# Allegro board SDHCalFEB20180110.brd (continued)
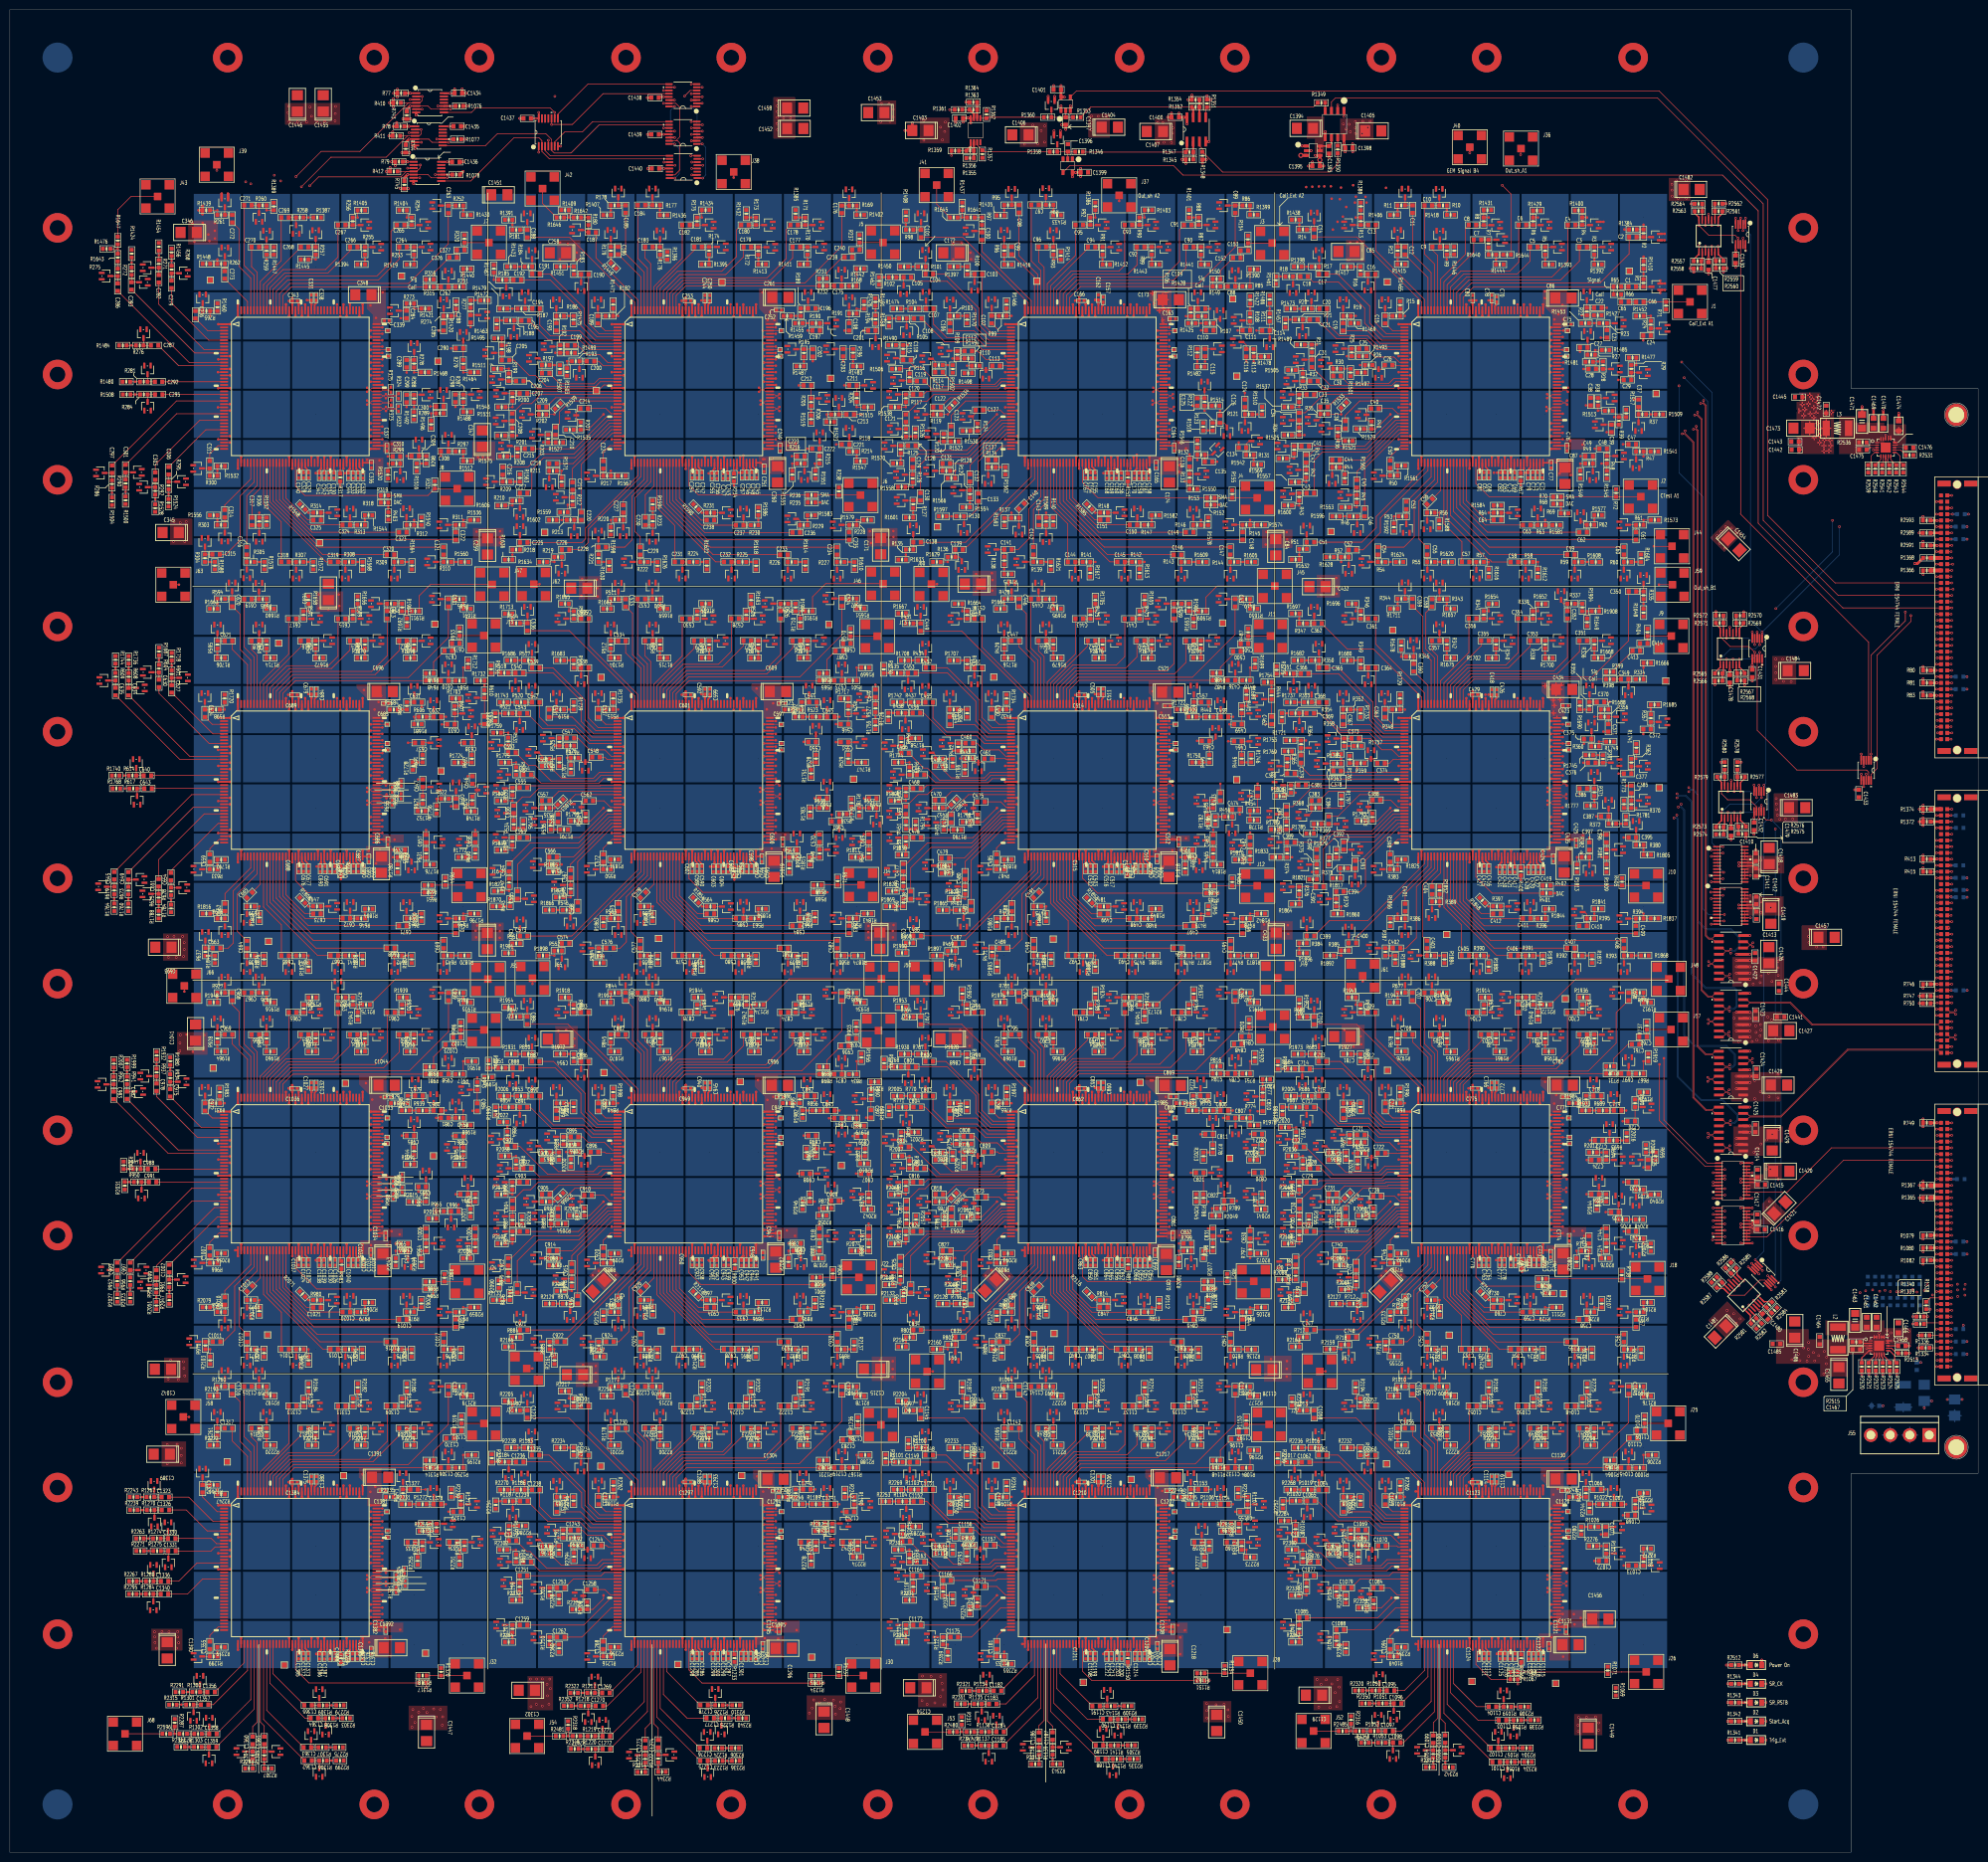
[diagram p0: board, top side]
## Routing (per net, layer and track width the routed paths; a pad name or vN(x,y) marks a point on that pad's centre or on a via; arc(x,y) is an arc through that point) (continued)
GEM_OUT_E32: length 4
  TOP w0.127: R365.1 259.76,222.2 v1(260.73,222.2) 260.73,222.64 260.71,222.66 R1769.2
  GND1 w0.127: v2(261.46,222.2) v1(260.73,222.2)
  GND3 w0.127: v3(262.2,222.2) v2(261.46,222.2)
GEM_OUT_E33: length 6.2
  TOP w0.127: R1801.2 259.81,214.63 R366.1 v1(261.44,215.3)
  GND1 w0.127: v2(261.96,214.78) v1(261.44,215.3)
  SIG3 w0.127: v2(262.2,212.94) 262.2,214.54 v2(261.96,214.78)
  GND3 w0.127: v3(262.2,212.2) v2(262.2,212.94)
GEM_OUT_E34: length 36
  TOP w0.127: v1(260.58,207.86) R367.1 258.99,207.86 258.99,207.85 R1789.2
  GND1 w0.127: v2(261.1,208.38) v1(260.58,207.86)
  SIG3 w0.127: v2(261.1,208.38) 261.1,208.45 263.88,211.23 290.49,211.23 v2(291.46,212.2)
  GND3 w0.127: v3(292.2,212.2) v2(291.46,212.2)
GEM_OUT_E35: length 7
  TOP w0.127: R1797.2 270.74,212.21 v1(270.73,212.2) 268.67,212.2 268.66,212.19 R368.1
  GND1 w0.127: v2(271.46,212.2) v1(270.73,212.2)
  GND3 w0.127: v3(272.2,212.2) v2(271.46,212.2)
GEM_OUT_E36: length 40.7
  TOP w0.127: R369.1 v1(265.16,207.98) 265.16,207.97 R1785.2
  GND1 w0.127: v1(265.16,207.98) v2(265.9,207.98)
  SIG3 w0.127: v2(301.46,212.2) 299.45,210.19 268.11,210.19 v2(265.9,207.98)
  GND3 w0.127: v3(302.2,212.2) v2(301.46,212.2)
GEM_OUT_E37: length 4
  TOP w0.127: R1773.2 328.23,212.2 R370.1 v1(330.73,212.2)
  GND1 w0.127: v2(331.46,212.2) v1(330.73,212.2)
  GND3 w0.127: v3(332.2,212.2) v2(331.46,212.2)
GEM_OUT_E38: length 3.4
  TOP w0.127: R1777.2 322.21,213.66 v1(322.2,213.67) R371.1
  GND1 w0.127: v2(322.2,212.94) v1(322.2,213.67)
  GND3 w0.127: v3(322.2,212.2) v2(322.2,212.94)
GEM_OUT_E39: length 20.2
  TOP w0.127: R1781.2 328.62,208.99 v1(327.63,208.99) R372.1
  GND1 w0.127: v2(326.9,208.99) v1(327.63,208.99)
  SIG3 w0.127: v2(326.9,208.99) 319.43,208.99 318.06,210.36 314.63,210.36 312.79,212.2 v2(311.46,212.2)
  GND3 w0.127: v3(312.2,212.2) v2(311.46,212.2)
GEM_OUT_E40: length 7.7
  TOP w0.127: R1793.2 276.17,209.58 276.18,209.58 R373.1 278.11,209.58 v1(280.73,212.2)
  GND1 w0.127: v2(281.46,212.2) v1(280.73,212.2)
  GND3 w0.127: v3(282.2,212.2) v2(281.46,212.2)
GEM_OUT_E41: length 4
  TOP w0.127: R1833.2 258.23,202.19 R374.1 260.72,202.19 v1(260.73,202.2)
  GND1 w0.127: v2(261.46,202.2) v1(260.73,202.2)
  GND3 w0.127: v3(262.2,202.2) v2(261.46,202.2)
GEM_OUT_E42: length 31.2
  TOP w0.127: R1821.2 265.75,197.7 R375.1 v1(264.77,199.19)
  GND1 w0.127: v2(265.51,199.19) v1(264.77,199.19)
  SIG3 w0.127: v2(265.51,199.19) 269.47,199.19 272.48,202.2 v2(291.46,202.2)
  GND3 w0.127: v3(292.2,202.2) v2(291.46,202.2)
GEM_OUT_E43: length 3.5
  TOP w0.127: R1864.2 262.2,193.67 v1(262.2,193.67) 262.2,193.68 R376.1
  GND1 w0.127: v2(262.2,192.94) v1(262.2,193.67)
  GND3 w0.127: v3(262.2,192.2) v2(262.2,192.94)
GEM_OUT_E44: length 4
  TOP w0.127: v1(270.73,202.2) 269.75,202.2 R377.1 R1829.2
  GND1 w0.127: v2(271.46,202.2) v1(270.73,202.2)
  GND3 w0.127: v3(272.2,202.2) v2(271.46,202.2)
GEM_OUT_E45: length 35
  TOP w0.127: R378.1 v1(270.54,198.96) 270.56,198.93 R1817.2
  GND1 w0.127: v1(270.54,198.96) v2(271.27,198.96)
  SIG3 w0.127: v2(301.46,202.2) 298.22,198.96 v2(271.27,198.96)
  GND3 w0.127: v3(302.2,202.2) v2(301.46,202.2)
GEM_OUT_E46: length 4
  TOP w0.127: R1860.2 270.74,192.19 v1(270.73,192.2) 270.73,192.2 R379.1
  GND1 w0.127: v2(271.46,192.2) v1(270.73,192.2)
  GND3 w0.127: v3(272.2,192.2) v2(271.46,192.2)
GEM_OUT_E47: length 3.5
  TOP w0.127: R380.1 332.2,204.68 v1(332.2,203.67) 332.2,202.7 R1805.2
  GND1 w0.127: v2(332.2,202.94) v1(332.2,203.67)
  GND3 w0.127: v3(332.2,202.2) v2(332.2,202.94)
GEM_OUT_E48: length 4
  TOP w0.127: R1809.2 324.69,202.2 R381.1 324.67,202.2 v1(323.67,202.2)
  GND1 w0.127: v2(322.94,202.2) v1(323.67,202.2)
  GND3 w0.127: v3(322.2,202.2) v2(322.94,202.2)
GEM_OUT_E49: length 9
  TOP w0.127: R382.1 319.64,202.2 v1(318.67,202.2) R1813.2
  GND1 w0.127: v2(317.93,202.2) v1(318.67,202.2)
  SIG3 w0.127: v2(312.84,202.2) v2(317.93,202.2)
  GND3 w0.127: v3(312.2,202.2) v2(312.84,202.2)
GEM_OUT_E50: length 3.5
  TOP w0.127: R383.1 282.2,199.74 v1(282.2,200.73) 282.2,201.73 R1825.2
  GND1 w0.127: v2(282.2,201.46) v1(282.2,200.73)
  GND3 w0.127: v3(282.2,202.2) v2(282.2,201.46)
GEM_OUT_E51: length 3.5
  TOP w0.127: R384.1 262.2,184.71 v1(262.2,183.67) 262.2,182.71 R1896.2
  GND1 w0.127: v2(262.2,182.94) v1(262.2,183.67)
  GND3 w0.127: v3(262.2,182.2) v2(262.2,182.94)
GEM_OUT_E52: length 4
  TOP w0.127: R1892.2 269.23,182.2 v1(270.73,182.2) 270.71,182.21 R385.1
  GND1 w0.127: v2(271.46,182.2) v1(270.73,182.2)
  GND3 w0.127: v3(272.2,182.2) v2(271.46,182.2)
GEM_OUT_E53: length 4
  TOP w0.127: R1856.2 280.7,189.72 R386.1 282.2,189.73 v1(282.2,190.73)
  GND1 w0.127: v2(282.2,191.46) v1(282.2,190.73)
  GND3 w0.127: v3(282.2,192.2) v2(282.2,191.46)
GEM_OUT_E54: length 3.5
  TOP w0.127: R387.1 279.73,182.2 v1(280.73,182.2) 281.73,182.2 R1888.2
  GND1 w0.127: v2(281.46,182.2) v1(280.73,182.2)
  GND3 w0.127: v3(282.2,182.2) v2(281.46,182.2)
GEM_OUT_E55: length 3.5
  TOP w0.127: R388.1 289.72,182.2 v1(290.73,182.2) 291.71,182.2 R1884.2
  GND1 w0.127: v2(291.46,182.2) v1(290.73,182.2)
  GND3 w0.127: v3(292.2,182.2) v2(291.46,182.2)
GEM_OUT_E56: length 4
  TOP w0.127: v1(290.73,192.2) 290.73,193.18 R389.1 R1852.2
  GND1 w0.127: v2(291.46,192.2) v1(290.73,192.2)
  GND3 w0.127: v3(292.2,192.2) v2(291.46,192.2)
GEM_OUT_E57: length 3.9
  TOP w0.127: R1880.2 300.73,180.74 v1(300.73,182.2) 299.76,182.2 R390.1
  GND1 w0.127: v2(301.46,182.2) v1(300.73,182.2)
  GND3 w0.127: v3(302.2,182.2) v2(301.46,182.2)
GEM_OUT_E58: length 3.5
  TOP w0.127: R391.1 309.74,182.2 v1(310.73,182.2) 311.71,182.2 R1876.2
  GND1 w0.127: v2(311.46,182.2) v1(310.73,182.2)
  GND3 w0.127: v3(312.2,182.2) v2(311.46,182.2)
GEM_OUT_E59: length 3.5
  TOP w0.127: R392.1 319.75,182.2 v1(320.73,182.2) 321.72,182.2 R1872.2
  GND1 w0.127: v2(321.46,182.2) v1(320.73,182.2)
  GND3 w0.127: v3(322.2,182.2) v2(321.46,182.2)
GEM_OUT_E60: length 3.5
  TOP w0.127: R393.1 329.75,182.2 v1(330.73,182.2) 331.7,182.2 R1868.2
  GND1 w0.127: v2(331.46,182.2) v1(330.73,182.2)
  GND3 w0.127: v3(332.2,182.2) v2(331.46,182.2)
GEM_OUT_E61: length 4
  TOP w0.127: R1837.2 332.19,189.74 ; 332.19,189.74 R394.1 ; 332.19,189.74 332.2,189.75 v1(332.2,190.73)
  GND1 w0.127: v2(332.2,191.46) v1(332.2,190.73)
  GND3 w0.127: v3(332.2,192.2) v2(332.2,191.46)
GEM_OUT_E62: length 3.5
  TOP w0.127: R395.1 v1(322.2,190.73) 322.2,191.72 R1841.2
  GND1 w0.127: v2(322.2,191.46) v1(322.2,190.73)
  GND3 w0.127: v3(322.2,192.2) v2(322.2,191.46)
GEM_OUT_E63: length 3.5
  TOP w0.127: R1844.2 312.2,191.68 v1(312.2,190.73) 312.2,189.75 R396.1
  GND1 w0.127: v2(312.2,191.46) v1(312.2,190.73)
  GND3 w0.127: v3(312.2,192.2) v2(312.2,191.46)
GEM_OUT_E64: length 3.5
  TOP w0.127: R397.1 300.67,192.21 v1(300.66,192.2) 299.96,192.9 R1848.2
  GND1 w0.127: v2(301.4,192.2) v1(300.66,192.2)
  GND3 w0.127: v3(302.2,192.2) v2(301.4,192.2)
GEM_OUT_F1: length 5
  TOP w0.127: R1699.2 253.19,240.73 v1(252.2,240.73) 252.2,238.16 R418.1
  GND1 w0.127: v2(252.2,241.46) v1(252.2,240.73)
  GND3 w0.127: v3(252.2,242.2) v2(252.2,241.46)
GEM_OUT_F2: length 3.4
  TOP w0.127: R419.1 252.19,253.69 v1(252.2,253.67) 252.19,253.66 R1650.2
  GND1 w0.127: v2(252.2,252.94) v1(252.2,253.67)
  GND3 w0.127: v3(252.2,252.2) v2(252.2,252.94)
GEM_OUT_F3: length 3.4
  TOP w0.127: R420.1 242.19,243.68 v1(242.2,243.67) 242.2,243.67 R1701.2
  GND1 w0.127: v2(242.2,242.94) v1(242.2,243.67)
  GND3 w0.127: v3(242.2,242.2) v2(242.2,242.94)
GEM_OUT_F4: length 1.5
  TOP w0.127: R1905.1 R421.1
GEM_OUT_F5: length 3.5
  TOP w0.127: R1673.2 232.19,243.66 v1(232.2,243.67) 232.21,243.68 R422.1
  GND1 w0.127: v2(232.2,242.94) v1(232.2,243.67)
  GND3 w0.127: v3(232.2,242.2) v2(232.2,242.94)
GEM_OUT_F6: length 4
  TOP w0.127: R1655.2 230.73,253.67 v1(230.73,252.2) 230.71,252.19 R423.1
  GND1 w0.127: v2(231.46,252.2) v1(230.73,252.2)
  GND3 w0.127: v3(232.2,252.2) v2(231.46,252.2)
GEM_OUT_F7: length 3.4
  TOP w0.127: R424.1 v1(222.2,243.67) 222.21,243.66 R1676.2
  GND1 w0.127: v2(222.2,242.94) v1(222.2,243.67)
  GND3 w0.127: v3(222.2,242.2) v2(222.2,242.94)
GEM_OUT_F8: length 4
  TOP w0.127: R1705.2 220.73,252.65 220.73,252.64 v1(220.73,252.2) 220.71,252.19 R425.1
  GND1 w0.127: v2(221.46,252.2) v1(220.73,252.2)
  GND3 w0.127: v3(222.2,252.2) v2(221.46,252.2)
GEM_OUT_F9: length 3.5
  TOP w0.127: R1679.2 212.21,243.67 v1(212.2,243.67) 212.19,243.68 R426.1
  GND1 w0.127: v2(212.2,242.94) v1(212.2,243.67)
  GND3 w0.127: v3(212.2,242.2) v2(212.2,242.94)
GEM_OUT_F10: length 3.4
  TOP w0.127: R427.1 212.18,253.69 v1(212.2,253.67) 212.2,252.71 R1695.2
  GND1 w0.127: v2(212.2,252.94) v1(212.2,253.67)
  GND3 w0.127: v3(212.2,252.2) v2(212.2,252.94)
GEM_OUT_F11: length 3.5
  TOP w0.127: R1661.2 202.2,252.69 v1(202.2,253.67) 202.19,253.68 R428.1
  GND1 w0.127: v2(202.2,252.94) v1(202.2,253.67)
  GND3 w0.127: v3(202.2,252.2) v2(202.2,252.94)
GEM_OUT_F12: length 3.5
  TOP w0.127: R429.1 202.21,243.68 v1(202.2,243.67) R1716.2
  GND1 w0.127: v2(202.2,242.94) v1(202.2,243.67)
  GND3 w0.127: v3(202.2,242.2) v2(202.2,242.94)
GEM_OUT_F13: length 4
  TOP w0.127: R430.1 194.65,252.2 v1(193.67,252.2) 193.67,252.64 193.66,252.66 R1664.2
  GND1 w0.127: v2(192.94,252.2) v1(193.67,252.2)
  GND3 w0.127: v3(192.2,252.2) v2(192.94,252.2)
GEM_OUT_F14: length 3.5
  TOP w0.127: R431.1 182.2,249.71 v1(182.2,250.73) 182.2,250.73 R1667.2
  GND1 w0.127: v2(182.2,251.46) v1(182.2,250.73)
  GND3 w0.127: v3(182.2,252.2) v2(182.2,251.46)
GEM_OUT_F15: length 4
  TOP w0.127: R1734.2 202.67,232.82 202.68,232.8 R432.1 203.67,232.21 v1(203.67,232.2)
  GND1 w0.127: v2(202.94,232.2) v1(203.67,232.2)
  GND3 w0.127: v3(202.2,232.2) v2(202.94,232.2)
GEM_OUT_F16: length 3.5
  TOP w0.127: R433.1 193.68,242.21 v1(193.67,242.2) 192.7,242.2 R1707.2
  GND1 w0.127: v2(192.94,242.2) v1(193.67,242.2)
  GND3 w0.127: v3(192.2,242.2) v2(192.94,242.2)
GEM_OUT_F17: length 3.5
  TOP w0.127: R1708.2 183.67,242.19 v1(183.67,242.2) 183.69,242.21 R434.1
  GND1 w0.127: v2(182.94,242.2) v1(183.67,242.2)
  GND3 w0.127: v3(182.2,242.2) v2(182.94,242.2)
GEM_OUT_F18: length 39
  TOP w0.127: R435.1 v1(178.66,239.62) 177.71,239.62 R1730.2
  GND1 w0.127: v1(178.66,239.62) v2(179.4,239.62)
  SIG3 w0.127: v2(179.4,239.62) 205.59,239.62 v2(212.2,233.01)
  GND3 w0.127: v3(212.2,232.2) v2(212.2,233.01)
GEM_OUT_F19: length 3.5
  TOP w0.127: R1738.2 193.69,232.22 v1(193.67,232.2) 193.67,232.21 R436.1
  GND1 w0.127: v2(192.94,232.2) v1(193.67,232.2)
  GND3 w0.127: v3(192.2,232.2) v2(192.94,232.2)
GEM_OUT_F20: length 3.5
  TOP w0.127: R437.1 182.21,233.68 v1(182.2,233.67) 181.76,233.67 181.74,233.68 R1742.2
  GND1 w0.127: v2(182.2,232.94) v1(182.2,233.67)
  GND3 w0.127: v3(182.2,232.2) v2(182.2,232.94)
GEM_OUT_F21: length 45.6
  TOP w0.127: R438.1 v1(179.6,231.52) 179.59,231.53 R1726.2
  GND1 w0.127: v2(180.34,231.52) v1(179.6,231.52)
  SIG3 w0.127: v2(180.34,231.52) 180.89,231.52 181.33,231.08 211.57,231.08 211.96,231.46 v2(222.2,231.46)
  GND3 w0.127: v3(222.2,232.2) v2(222.2,231.46)
GEM_OUT_F22: length 9.5
  TOP w0.127: R439.1 240.75,232.2 v1(239.83,232.2) 238.88,232.2 R1722.2
  GND1 w0.127: v2(239.09,232.2) v1(239.83,232.2)
  SIG3 w0.127: v2(239.09,232.2) v2(232.94,232.2)
  GND3 w0.127: v3(232.2,232.2) v2(232.94,232.2)
GEM_OUT_F23: length 3.5
  TOP w0.127: R440.1 242.21,230.73 v1(242.2,230.73) 242.19,230.74 R1709.2
  GND1 w0.127: v1(242.2,230.73) v2(242.2,231.46)
  GND3 w0.127: v3(242.2,232.2) v2(242.2,231.46)
GEM_OUT_F24: length 4
  TOP w0.127: R1689.2 251.46,233.38 v1(251.46,232.94) 250.52,232.94 R441.1
  GND1 w0.127: v2(252.2,232.94) v1(251.46,232.94)
  GND3 w0.127: v3(252.2,232.2) v2(252.2,232.94)
GEM_OUT_F25: length 23.4
  TOP w0.127: R1762.2 193.45,223.85 193.45,223.85 R442.1 v1(191.9,223.85)
  GND1 w0.127: v2(192.63,223.85) v1(191.9,223.85)
  SIG3 w0.127: v2(211.28,222.2) 202.39,222.2 200.74,223.85 v2(192.63,223.85)
  GND3 w0.127: v3(212.2,222.2) v2(211.28,222.2)
GEM_OUT_F26: length 11.8
  TOP w0.127: v1(193.24,222.26) R443.1 194.2,222.24 R1766.2
  GND1 w0.127: v2(193.98,222.26) v1(193.24,222.26)
  SIG3 w0.127: v2(201.68,221.68) 194.56,221.68 v2(193.98,222.26)
  GND3 w0.127: v3(202.2,222.2) v2(201.68,221.68)
GEM_OUT_F27: length 38
  TOP w0.127: R1754.2 v1(256.57,236.8) R444.1
  GND1 w0.127: v1(256.57,236.8) v2(256.57,236.07)
  SIG3 w0.127: v2(231.46,222.2) 231.85,222.59 232.16,222.59 236.17,226.59 253.54,226.59 256.57,229.62 v2(256.57,236.07)
  GND3 w0.127: v3(232.2,222.2) v2(231.46,222.2)
GEM_OUT_F28: length 3.5
  TOP w0.127: R1750.2 242.93,221.47 v1(242.94,221.46) 242.94,221.46 R445.1
  GND1 w0.127: v2(242.2,221.46) v1(242.94,221.46)
  GND3 w0.127: v3(242.2,222.2) v2(242.2,221.46)
GEM_OUT_F29: length 3.4
  TOP w0.127: R1746.2 252.41,221.46 v1(251.46,221.46) 251.46,221.46 R446.1
  GND1 w0.127: v2(251.46,222.2) v1(251.46,221.46)
  GND3 w0.127: v3(252.2,222.2) v2(251.46,222.2)
GEM_OUT_F30: length 3.5
  TOP w0.127: R1770.2 191.7,222.2 v1(190.73,222.2) 189.75,222.2 R447.1
  GND1 w0.127: v2(191.46,222.2) v1(190.73,222.2)
  GND3 w0.127: v3(192.2,222.2) v2(191.46,222.2)
GEM_OUT_F31: length 44.1
  TOP w0.127: R1758.2 182.38,226.36 v1(182.37,226.36) R448.1
  GND1 w0.127: v1(182.37,226.36) v2(182.89,225.84)
  SIG3 w0.127: v2(221.13,222.2) 213.31,222.2 212.72,222.78 202.97,222.78 200.96,224.79 183.21,224.79 182.89,225.11 v2(182.89,225.84)
  GND3 w0.127: v3(222.2,222.2) v2(221.13,222.2)
GEM_OUT_F32: length 4
  TOP w0.127: R449.1 182.94,221.46 v1(182.94,221.46) 181.44,221.46 R1774.2
  GND1 w0.127: v2(182.2,221.46) v1(182.94,221.46)
  GND3 w0.127: v3(182.2,222.2) v2(182.2,221.46)
GEM_OUT_F33: length 3.9
  TOP w0.127: R1806.2 180.74,213.67 v1(182.2,213.67) 182.2,214.64 R450.1
  GND1 w0.127: v2(182.2,212.94) v1(182.2,213.67)
  GND3 w0.127: v3(182.2,212.2) v2(182.2,212.94)
GEM_OUT_F34: length 33.9
  TOP w0.127: R451.1 v1(183.18,207.95) R1794.2
  GND1 w0.127: v2(183.18,207.16) v1(183.18,207.95)
  SIG3 w0.127: v2(211.46,212.2) 203.28,212.2 199.03,207.95 183.97,207.95 v2(183.18,207.16)
  GND3 w0.127: v3(212.2,212.2) v2(211.46,212.2)
GEM_OUT_F35: length 3.5
  TOP w0.127: R1802.2 191.42,212.9 v1(190.73,212.2) 190.28,212.2 190.27,212.21 R452.1
  GND1 w0.127: v2(191.46,212.2) v1(190.73,212.2)
  GND3 w0.127: v3(192.2,212.2) v2(191.46,212.2)
GEM_OUT_F36: length 36.2
  TOP w0.127: R1790.2 190.91,207.74 v1(190.91,207.75) R453.1
  GND1 w0.127: v2(190.91,207.01) v1(190.91,207.75)
  SIG3 w0.127: v2(221.46,212.2) 213.42,212.2 212.72,211.51 204.22,211.51 199.72,207.01 v2(190.91,207.01)
  GND3 w0.127: v3(222.2,212.2) v2(221.46,212.2)
GEM_OUT_F37: length 3.4
  TOP w0.127: R1778.2 252.2,209.76 v1(252.2,210.73) 252.2,210.73 R454.1
  GND1 w0.127: v2(252.2,211.46) v1(252.2,210.73)
  GND3 w0.127: v3(252.2,212.2) v2(252.2,211.46)
GEM_OUT_F38: length 4
  TOP w0.127: R1782.2 243.61,211.25 243.67,211.31 v1(243.67,212.2) 244.64,212.2 R455.1
  GND1 w0.127: v2(242.94,212.2) v1(243.67,212.2)
  GND3 w0.127: v3(242.2,212.2) v2(242.94,212.2)
GEM_OUT_F39: length 18.5
  TOP w0.127: R1786.2 246.07,210.42 v1(246.08,210.42) R456.1
  GND1 w0.127: v1(246.08,210.42) v2(246.08,211.16)
  SIG3 w0.127: v2(231.46,212.2) 232.01,211.66 242.16,211.66 242.66,211.16 v2(246.08,211.16)
  GND3 w0.127: v3(232.2,212.2) v2(231.46,212.2)
GEM_OUT_F40: length 8.1
  TOP w0.127: v1(200.73,212.2) 197.87,209.35 R457.1 R1798.2
  GND1 w0.127: v2(201.46,212.2) v1(200.73,212.2)
  GND3 w0.127: v3(202.2,212.2) v2(201.46,212.2)
GEM_OUT_F41: length 3.4
  TOP w0.127: R458.1 182.21,203.68 v1(182.2,203.67) 182.19,203.67 R1838.2
  GND1 w0.127: v2(182.2,202.94) v1(182.2,203.67)
  GND3 w0.127: v3(182.2,202.2) v2(182.2,202.94)
GEM_OUT_F42: length 36.7
  TOP w0.127: R459.1 v1(181.7,195.33) R1826.2
  GND1 w0.127: v1(181.7,195.33) v2(181.7,196.06)
  SIG3 w0.127: v2(212.2,201.46) 206.8,196.06 v2(181.7,196.06)
  GND3 w0.127: v3(212.2,202.2) v2(212.2,201.46)
GEM_OUT_F43: length 3.4
  TOP w0.127: R460.1 181.7,192.2 v1(180.73,192.2) 179.73,192.2 R1869.2
  GND1 w0.127: v2(181.46,192.2) v1(180.73,192.2)
  GND3 w0.127: v3(182.2,192.2) v2(181.46,192.2)
GEM_OUT_F44: length 4.3
  TOP w0.127: v1(192.2,200.73) 191.24,200.73 R461.1 R1834.2
  GND1 w0.127: v2(192.2,201.46) v1(192.2,200.73)
  GND3 w0.127: v3(192.2,202.2) v2(192.2,201.46)
GEM_OUT_F45: length 34.8
  TOP w0.127: R462.1 v1(194.25,193.75) R1822.2
  GND1 w0.127: v2(194.25,194.49) v1(194.25,193.75)
  SIG3 w0.127: v2(222.2,201.46) 215.22,194.49 v2(194.25,194.49)
  GND3 w0.127: v3(222.2,202.2) v2(222.2,201.46)
GEM_OUT_F46: length 2.4
  TOP w0.127: v1(191.46,191.46) 192.42,191.46 R463.1
  GND1 w0.127: v2(192.2,191.46) v1(191.46,191.46)
  GND3 w0.127: v3(192.2,192.2) v2(192.2,191.46)
GEM_OUT_F47: length 4
  TOP w0.127: R1810.2 R464.1 252.21,200.74 v1(252.2,200.73)
  GND1 w0.127: v2(252.2,201.46) v1(252.2,200.73)
  GND3 w0.127: v3(252.2,202.2) v2(252.2,201.46)
GEM_OUT_F48: length 4
  TOP w0.127: v1(243.67,202.2) 243.69,202.18 R465.1 244.69,200.69 R1814.2
  GND1 w0.127: v2(242.94,202.2) v1(243.67,202.2)
  GND3 w0.127: v3(242.2,202.2) v2(242.94,202.2)
GEM_OUT_F49: length 8.3
  TOP w0.127: v1(238.02,202.2) 238.98,202.2 R466.1 R1818.2
  GND1 w0.127: v2(237.29,202.2) v1(238.02,202.2)
  SIG3 w0.127: v2(232.94,202.2) v2(237.29,202.2)
  GND3 w0.127: v3(232.2,202.2) v2(232.94,202.2)
GEM_OUT_F50: length 3.5
  TOP w0.127: R1830.2 202.18,200.74 v1(202.2,200.73) 202.2,199.75 R467.1
  GND1 w0.127: v2(202.2,201.46) v1(202.2,200.73)
  GND3 w0.127: v3(202.2,202.2) v2(202.2,201.46)
GEM_OUT_F51: length 3.5
  TOP w0.127: R468.1 182.2,184.74 v1(182.2,183.74) 182.2,182.76 R1900.2
  GND1 w0.127: v2(182.2,183) v1(182.2,183.74)
  GND3 w0.127: v3(182.2,182.2) v2(182.2,183)
GEM_OUT_F52: length 3.9
  TOP w0.127: R1897.2 189.24,182.2 v1(190.73,182.2) 190.73,183.17 R469.1
  GND1 w0.127: v2(191.46,182.2) v1(190.73,182.2)
  GND3 w0.127: v3(192.2,182.2) v2(191.46,182.2)
GEM_OUT_F53: length 4
  TOP w0.127: v1(202.2,190.73) 202.2,189.73 R470.1 200.73,189.72 R1861.2
  GND1 w0.127: v2(202.2,191.46) v1(202.2,190.73)
  GND3 w0.127: v3(202.2,192.2) v2(202.2,191.46)
GEM_OUT_F54: length 4
  TOP w0.127: R471.1 199.74,182.2 v1(200.73,182.2) 200.73,180.7 R1893.2
  GND1 w0.127: v2(201.46,182.2) v1(200.73,182.2)
  GND3 w0.127: v3(202.2,182.2) v2(201.46,182.2)
GEM_OUT_F55: length 3.4
  TOP w0.127: R472.1 209.76,182.2 v1(210.73,182.2) 210.73,182.19 R1889.2
  GND1 w0.127: v2(211.46,182.2) v1(210.73,182.2)
  GND3 w0.127: v3(212.2,182.2) v2(211.46,182.2)
GEM_OUT_F56: length 4
  TOP w0.127: R473.1 209.73,192.2 v1(210.73,192.2) 210.72,192.19 R1857.2
  GND1 w0.127: v2(211.46,192.2) v1(210.73,192.2)
  GND3 w0.127: v3(212.2,192.2) v2(211.46,192.2)
GEM_OUT_F57: length 3.9
  TOP w0.127: R474.1 220.72,182.21 v1(220.73,182.2) 220.73,180.72 R1885.2
  GND1 w0.127: v2(221.46,182.2) v1(220.73,182.2)
  GND3 w0.127: v3(222.2,182.2) v2(221.46,182.2)
GEM_OUT_F58: length 3.5
  TOP w0.127: R1881.2 231.7,182.2 v1(230.73,182.2) 229.75,182.2 R475.1
  GND1 w0.127: v2(231.46,182.2) v1(230.73,182.2)
  GND3 w0.127: v3(232.2,182.2) v2(231.46,182.2)
GEM_OUT_F59: length 3.5
  TOP w0.127: R1877.2 240.73,182.19 v1(240.73,182.2) 239.76,182.2 R476.1
  GND1 w0.127: v2(241.46,182.2) v1(240.73,182.2)
  GND3 w0.127: v3(242.2,182.2) v2(241.46,182.2)
GEM_OUT_F60: length 3.4
  TOP w0.127: R1873.2 250.75,182.22 v1(250.73,182.2) 250.72,182.21 R477.1
  GND1 w0.127: v2(251.46,182.2) v1(250.73,182.2)
  GND3 w0.127: v3(252.2,182.2) v2(251.46,182.2)
GEM_OUT_F61: length 4
  TOP w0.127: R478.1 252.2,189.73 v1(252.2,190.73) 252.2,190.73 R1842.2
  GND1 w0.127: v2(252.2,191.46) v1(252.2,190.73)
  GND3 w0.127: v3(252.2,192.2) v2(252.2,191.46)
GEM_OUT_F62: length 4
  TOP w0.127: R479.1 242.2,189.74 v1(242.2,190.73) 243.69,190.73 R1845.2
  GND1 w0.127: v2(242.2,191.46) v1(242.2,190.73)
  GND3 w0.127: v3(242.2,192.2) v2(242.2,191.46)
GEM_OUT_F63: length 3.5
  TOP w0.127: R480.1 232.2,189.74 v1(232.2,190.73) 232.2,191.71 R1849.2
  GND1 w0.127: v2(232.2,191.46) v1(232.2,190.73)
  GND3 w0.127: v3(232.2,192.2) v2(232.2,191.46)
GEM_OUT_F64: length 3.4
  TOP w0.127: R481.1 221.7,192.2 v1(220.73,192.2) 220.73,192.21 220.05,192.89
  GND1 w0.127: v2(221.46,192.2) v1(220.73,192.2)
  GND3 w0.127: v3(222.2,192.2) v2(221.46,192.2)
GEM_OUT_G1: length 5.1
  TOP w0.127: R1669.2 173.18,240.73 v1(172.2,240.73) 172.2,238.1 R501.1
  GND1 w0.127: v2(172.2,241.46) v1(172.2,240.73)
  GND3 w0.127: v3(172.2,242.2) v2(172.2,241.46)
GEM_OUT_G2: length 3.6
  TOP w0.127: R502.1 172.2,254.76 v1(172.2,253.78) 172.2,252.78 R1651.2
  GND1 w0.127: v2(172.2,253.05) v1(172.2,253.78)
  GND3 w0.127: v3(172.2,252.2) v2(172.2,253.05)
GEM_OUT_G3: length 3.4
  TOP w0.127: R503.1 162.2,243.68 v1(162.2,243.67) 162.19,243.66 R1671.2
  GND1 w0.127: v2(162.2,242.94) v1(162.2,243.67)
  GND3 w0.127: v3(162.2,242.2) v2(162.2,242.94)
GEM_OUT_G4: length 1.5
  TOP w0.127: R1906.1 R504.1
GEM_OUT_G5: length 3.5
  TOP w0.127: R1674.2 152.21,243.67 v1(152.2,243.67) 152.2,243.68 R505.1
  GND1 w0.127: v2(152.2,242.94) v1(152.2,243.67)
  GND3 w0.127: v3(152.2,242.2) v2(152.2,242.94)
GEM_OUT_G6: length 4
  TOP w0.127: R1693.2 150.73,253.69 v1(150.73,252.2) 149.74,252.2 R506.1
  GND1 w0.127: v2(151.46,252.2) v1(150.73,252.2)
  GND3 w0.127: v3(152.2,252.2) v2(151.46,252.2)
GEM_OUT_G7: length 3.4
  TOP w0.127: R507.1 142.19,243.68 v1(142.2,243.67) 142.2,243.67 R1677.2
  GND1 w0.127: v2(142.2,242.94) v1(142.2,243.67)
  GND3 w0.127: v3(142.2,242.2) v2(142.2,242.94)
GEM_OUT_G8: length 4
  TOP w0.127: R1694.2 140.73,252.65 140.73,252.64 v1(140.73,252.2) 139.76,252.2 R508.1
  GND1 w0.127: v2(141.46,252.2) v1(140.73,252.2)
  GND3 w0.127: v3(142.2,252.2) v2(141.46,252.2)
GEM_OUT_G9: length 3.4
  TOP w0.127: R509.1 132.21,243.68 v1(132.2,243.67) 132.2,243.67 R1715.2
  GND1 w0.127: v2(132.2,242.94) v1(132.2,243.67)
  GND3 w0.127: v3(132.2,242.2) v2(132.2,242.94)
GEM_OUT_G10: length 3.4
  TOP w0.127: R1659.2 132.2,252.7 v1(132.2,253.67) 132.2,253.67 R510.1
  GND1 w0.127: v2(132.2,252.94) v1(132.2,253.67)
  GND3 w0.127: v3(132.2,252.2) v2(132.2,252.94)
GEM_OUT_G11: length 3.5
  TOP w0.127: R511.1 122.21,253.68 v1(122.2,253.67) 122.2,252.67 R1662.2
  GND1 w0.127: v2(122.2,252.94) v1(122.2,253.67)
  GND3 w0.127: v3(122.2,252.2) v2(122.2,252.94)
GEM_OUT_G12: length 3.4
  TOP w0.127: R1704.2 122.19,243.66 v1(122.2,243.67) R512.1
  GND1 w0.127: v2(122.2,242.94) v1(122.2,243.67)
  GND3 w0.127: v3(122.2,242.2) v2(122.2,242.94)
GEM_OUT_G13: length 4
  TOP w0.127: R513.1 114.67,252.2 v1(113.67,252.2) 113.67,252.64 113.67,252.65 R1665.2
  GND1 w0.127: v2(112.94,252.2) v1(113.67,252.2)
  GND3 w0.127: v3(112.2,252.2) v2(112.94,252.2)
GEM_OUT_G14: length 3.4
  TOP w0.127: R1713.2 102.19,250.73 v1(102.2,250.73) 102.2,249.78 R514.1
  GND1 w0.127: v2(102.2,251.46) v1(102.2,250.73)
  GND3 w0.127: v3(102.2,252.2) v2(102.2,251.46)
GEM_OUT_G15: length 3
  TOP w0.127: R1735.2 122.69,232.82 122.7,232.8 R515.1
  GND1 w0.127: v2(122.94,232.2) v1(123.67,232.2)
  GND3 w0.127: v3(122.2,232.2) v2(122.94,232.2)
GEM_OUT_G16: length 3.4
  TOP w0.127: R516.1 113.68,242.21 v1(113.67,242.2) 113.67,242.19 R1683.2
  GND1 w0.127: v2(112.94,242.2) v1(113.67,242.2)
  GND3 w0.127: v3(112.2,242.2) v2(112.94,242.2)
GEM_OUT_G17: length 3.5
  TOP w0.127: R517.1 103.68,242.19 v1(103.67,242.2) 102.68,242.2 R1686.2
  GND1 w0.127: v2(102.94,242.2) v1(103.67,242.2)
  GND3 w0.127: v3(102.2,242.2) v2(102.94,242.2)
GEM_OUT_G18: length 38.8
  TOP w0.127: R518.1 v1(98.83,239.65) 98.82,239.64 R1731.2
  GND1 w0.127: v1(98.83,239.65) v2(99.57,239.65)
  SIG3 w0.127: v2(132.2,232.94) 125.49,239.65 v2(99.57,239.65)
  GND3 w0.127: v3(132.2,232.2) v2(132.2,232.94)
GEM_OUT_G19: length 3.4
  TOP w0.127: R1739.2 113.68,232.2 v1(113.67,232.2) 112.7,232.2 R519.1
  GND1 w0.127: v2(112.94,232.2) v1(113.67,232.2)
  GND3 w0.127: v3(112.2,232.2) v2(112.94,232.2)
GEM_OUT_G20: length 3.5
  TOP w0.127: R520.1 102.21,233.68 v1(102.2,233.67) 102.19,233.68 R1743.2
  GND1 w0.127: v2(102.2,232.94) v1(102.2,233.67)
  GND3 w0.127: v3(102.2,232.2) v2(102.2,232.94)
GEM_OUT_G21: length 45.2
  TOP w0.127: R521.1 v1(99.69,231.42) 99.69,231.43 R1727.2
  GND1 w0.127: v1(99.69,231.42) v2(100.43,231.42)
  SIG3 w0.127: v2(142.2,231.46) 100.48,231.46 v2(100.43,231.42)
  GND3 w0.127: v3(142.2,232.2) v2(142.2,231.46)
GEM_OUT_G22: length 9.8
  TOP w0.127: R522.1 160.11,232.19 v1(160.1,232.2) 159.15,232.2 R1723.2
  GND1 w0.127: v2(159.36,232.2) v1(160.1,232.2)
  SIG3 w0.127: v2(152.94,232.2) v2(159.36,232.2)
  GND3 w0.127: v3(152.2,232.2) v2(152.94,232.2)
GEM_OUT_G23: length 3.4
  TOP w0.127: R1719.2 162.19,230.74 v1(162.2,230.73) 162.21,230.73 R523.1
  GND1 w0.127: v2(162.2,231.46) v1(162.2,230.73)
  GND3 w0.127: v3(162.2,232.2) v2(162.2,231.46)
GEM_OUT_G24: length 3.9
  TOP w0.127: v1(171.46,232.94) 171.46,232.93 R524.1 170.48,233.51 170.47,233.52 R1717.2
  GND1 w0.127: v1(171.46,232.94) v2(172.2,232.94)
  GND3 w0.127: v3(172.2,232.2) v2(172.2,232.94)
GEM_OUT_G25: length 24.6
  TOP w0.127: v1(110.95,224.87) R525.1 113.21,224.87 R1763.2
  GND1 w0.127: v2(111.47,224.35) v1(110.95,224.87)
  SIG3 w0.127: v2(130.96,222.2) 122.15,222.2 120.54,223.81 112.01,223.81 v2(111.47,224.35)